# Altium PCB X98_CARRIER_V1R2_12082022.PcbDoc (part 8 of 10)
Units mm, origin at the board's own origin, x right, y up, seen from the top; angles counter-clockwise.
Board outline 100 x 72 mm, 4 copper layers (Top Layer, Layer 1, Layer 2, Bottom Layer), stack 1.543 mm thick; 772 components, 527 nets, 2344 pads, 1194 vias.
Unrouted connection lines stored in the file: 58.
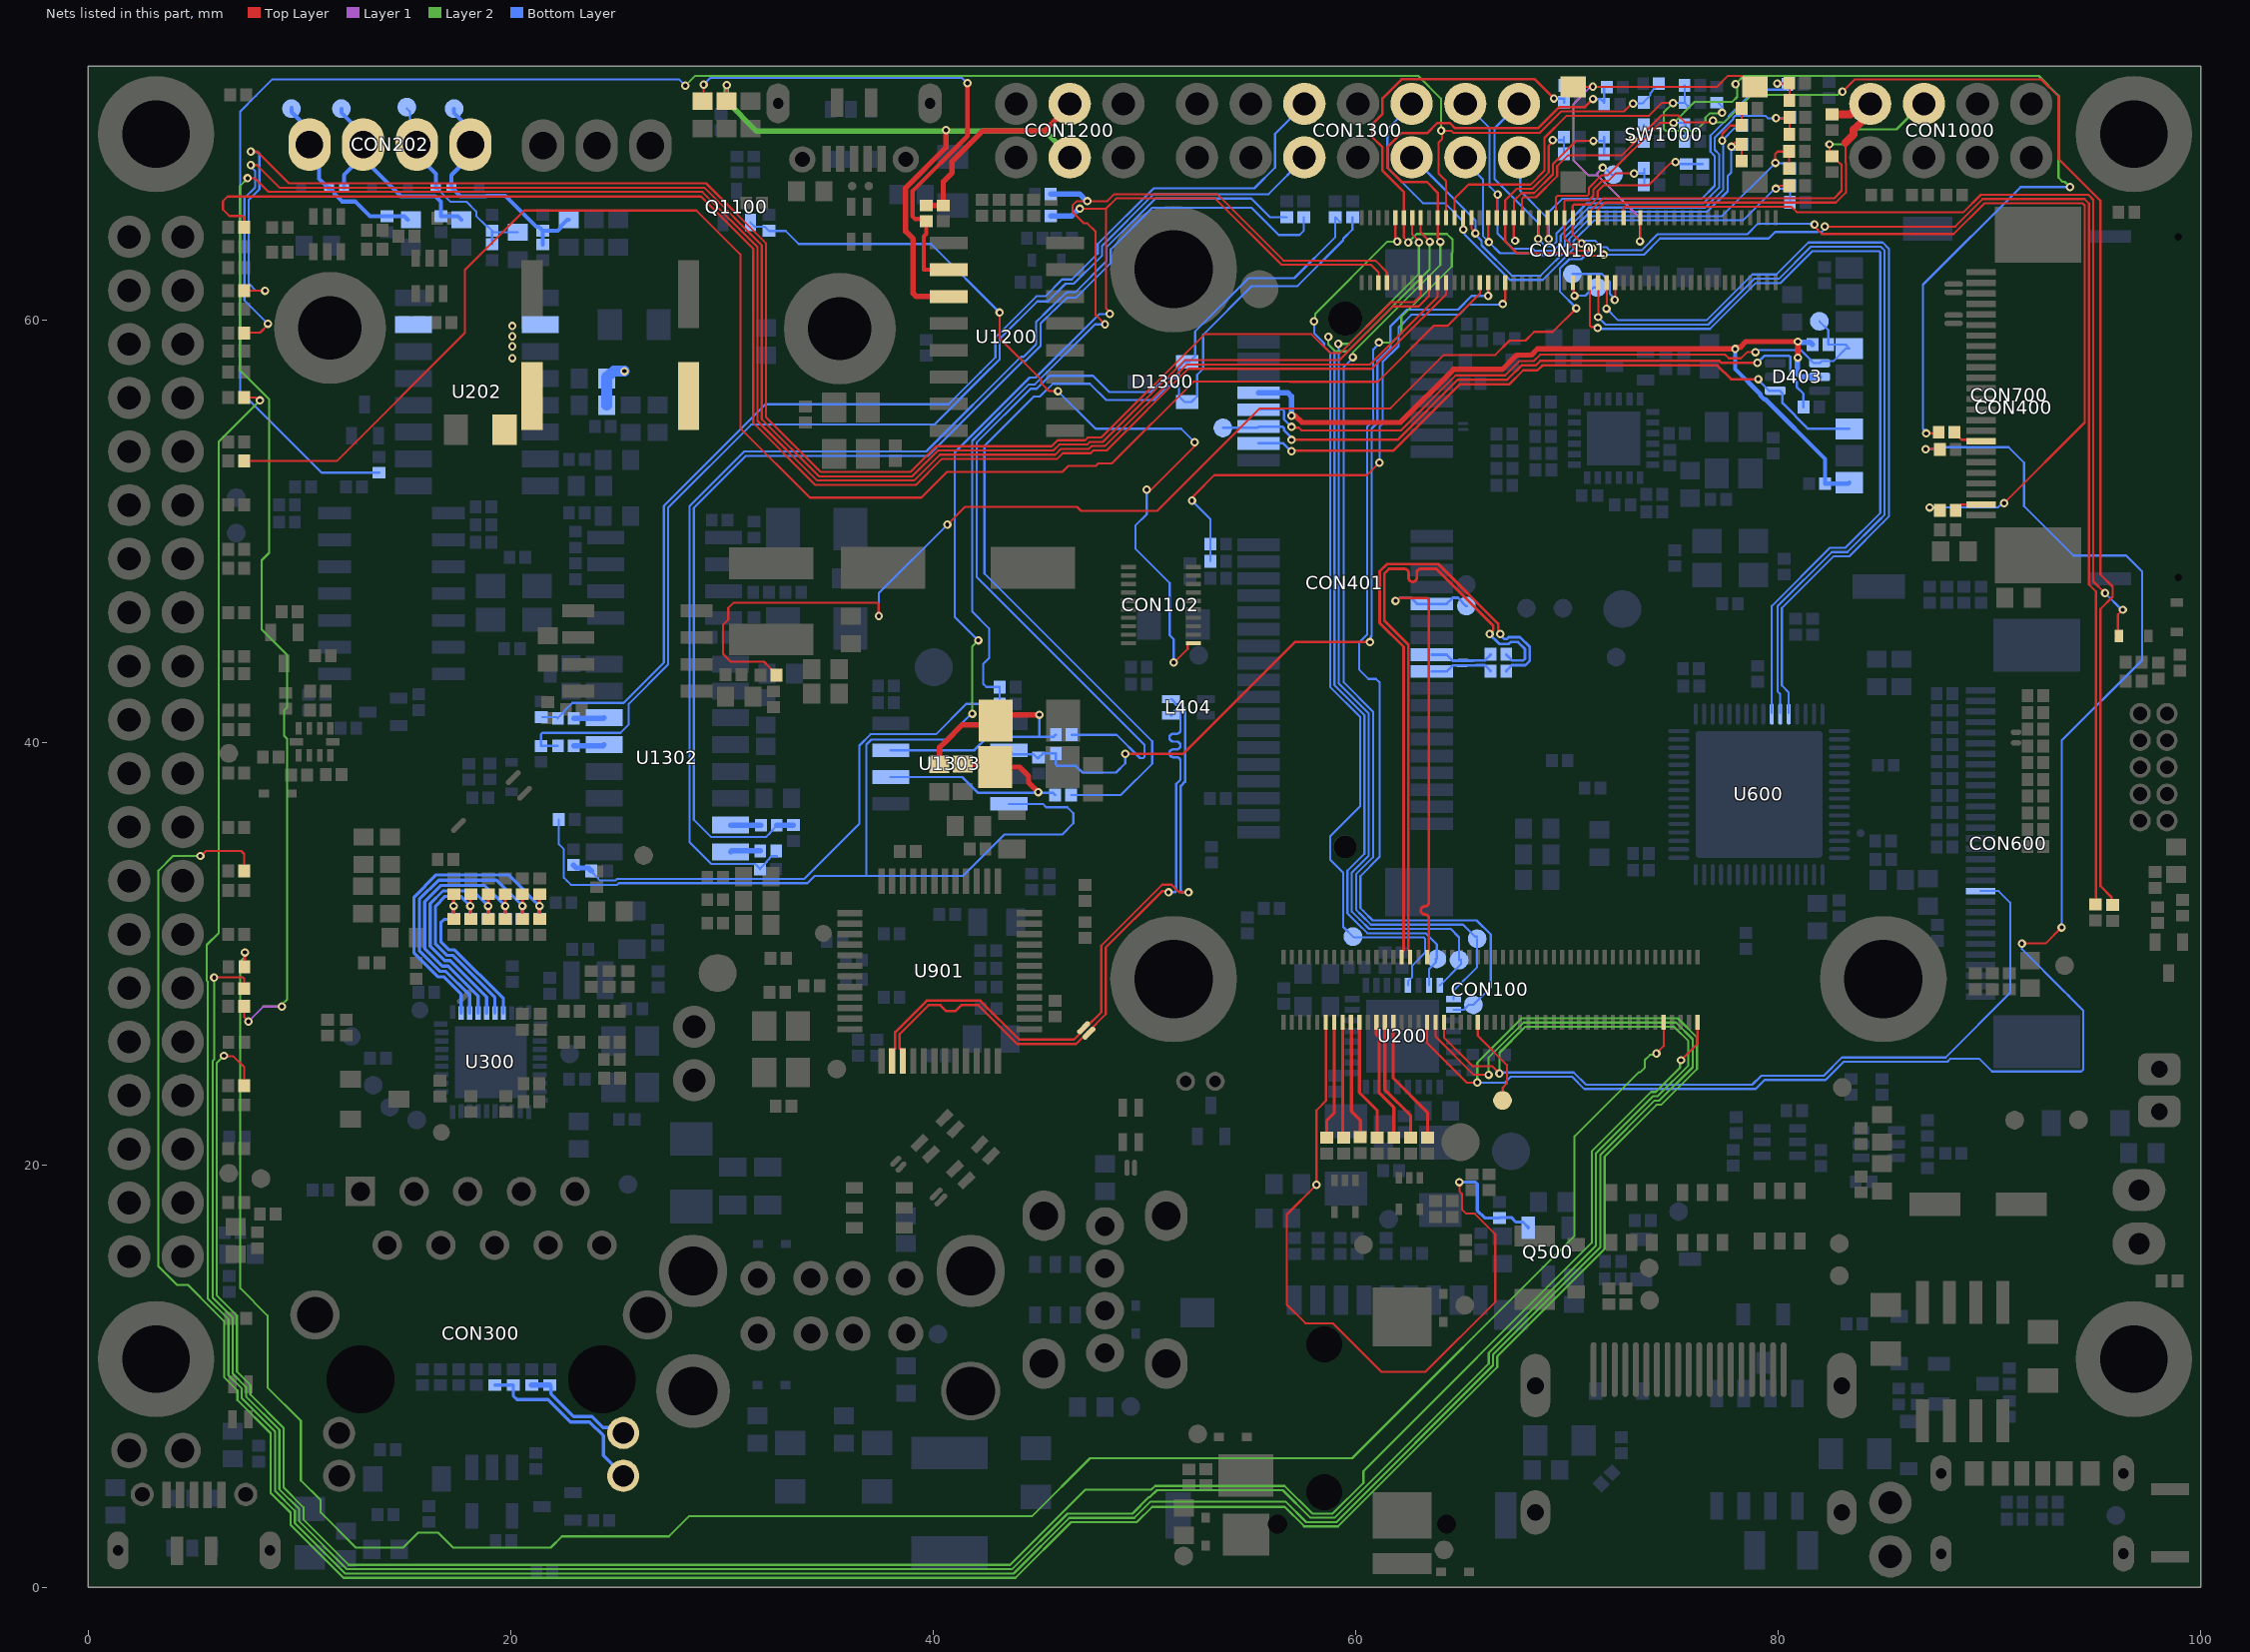
[diagram p10: the nets of this part, all layers, seen from the top]

## Via types
v1: diameter 0.4, hole 0.2, Top Layer to Bottom Layer, tented both sides, 1194 vias

## Nets (pads, with @x,y where several pads share a name; then routed paths per layer and width w, separated by ;. In a path a pad name is that pad's centre, name@x,y a point inside that pad or via, vN(x,y) a via of type N, cw(c..) or ccw(c..) an arc to the next point about the centre after c; other vN are vias at no path point) (continued)
PCIe_RX_P: CON100.65 CON401.25 TP409.1 | length 22.9
  Top Layer w0.128: v1(61.885,46.702) 61.959,46.702 62.094,46.838 63.389,46.838 63.464,46.763 63.464,32.878 63.464,32.432 cw(c63.273,32.432) 63.273,32.24 ccw(c63.273,32.049) 63.082,32.049 ccw(c63.273,32.049) 63.273,31.858 cw(c63.273,31.667) 63.464,31.667 63.464,31.078 63.464,30.01 63.379,29.925 CON100.65@63.379,29.837
  Bottom Layer w0.128: v1(61.885,46.702) 61.959,46.702 62.094,46.838 62.251,46.838 62.623,46.838 62.908,46.553 63.608,46.553 64.308,46.553 64.6,46.845 64.841,46.845 65.234,46.453 TP409.1@65.244,46.453
PCIe_TX'_N: C415.2 CON401.31 TP410.1 | length 3
  Bottom Layer w0.128: CON401.31@63.608,44.153 64.308,44.153 64.593,43.868 65.569,43.868 65.582,43.881 66.121,43.881 66.381,44.14 C415.2@66.381,44.166
PCIe_TX'_P: C416.2 CON401.33 TP411.1 | length 3
  Bottom Layer w0.128: CON401.33@63.608,43.353 64.308,43.353 64.593,43.638 65.472,43.638 65.69,43.638 65.702,43.651 66.121,43.651 66.381,43.391 C416.2@66.381,43.366
PCIe_TX_N: C415.1 CON100.69 | length 29.8
  Top Layer w0.128: CON100.69@62.579,29.817 62.579,30.087 62.494,30.172 62.494,44.616 61.363,45.747 61.363,47.998 61.577,48.213 61.869,48.213 62.316,48.213 cw(c62.316,48.021) 62.507,48.021 62.507,47.79 ccw(c62.698,47.79) 62.698,47.599 ccw(c62.698,47.79) 62.889,47.79 62.889,48.021 cw(c63.08,48.021) 63.08,48.213 63.655,48.213 63.818,48.213 66.512,45.518 66.512,45.326 66.475,45.288 v1@66.475,45.192
  Bottom Layer w0.128: v1(66.339,45.137) 66.339,45.121 66.797,44.663 67.246,44.663 67.334,44.751 67.682,44.751 68.011,44.422 68.011,43.956 67.936,43.881 67.39,43.881 67.131,44.14 C415.1@67.131,44.166
PCIe_TX_P: C416.1 CON100.71 | length 29.9
  Top Layer w0.128: CON100.71@62.179,29.837 62.179,30.087 62.264,30.172 62.264,44.521 61.133,45.652 61.133,48.094 61.482,48.442 61.869,48.442 63.913,48.442 66.742,45.613 66.742,45.308 66.84,45.21 v1(66.84,45.137)
  Bottom Layer w0.128: v1(66.84,45.137) 66.84,45.097 67.045,44.893 67.151,44.893 67.239,44.981 67.777,44.981 68.241,44.517 68.241,43.861 68.031,43.651 67.39,43.651 67.131,43.391 C416.1@67.131,43.366
PCIe_USB_MODEM_N: L404.4 TP412.1 U901.14 | length 31.7
  Top Layer w0.114: U901.14@38.055,24.923 38.055,25.373 38.197,25.515 38.197,26.285 39.687,27.775 42.229,27.775 44.07,25.933 46.66,25.933 47.168,26.441 47.955,27.229 47.955,30.379 50.838,33.262 51.285,33.262 51.643,32.903 v1(52.086,32.903)
  Bottom Layer w0.114: L404.4@51.261,42.047 51.286,42.047 51.428,41.904 51.428,41.841 51.495,41.774 51.726,41.774 51.919,41.581 51.919,38.141 51.719,37.941 51.719,32.97 51.786,32.903 v1(52.086,32.903)
PCIe_USB_MODEM_P: L404.1 TP413.1 U901.15 | length 31.6
  Top Layer w0.114: U901.15@38.555,24.923 38.555,25.373 38.413,25.515 38.413,26.195 39.776,27.559 40.335,27.559 40.615,27.28 41.046,27.28 41.326,27.559 42.139,27.559 43.981,25.718 46.749,25.718 47.32,26.289 48.171,27.139 48.171,30.289 50.832,32.95 51.089,32.95 v1(51.136,32.903)
  Bottom Layer w0.114: v1(51.136,32.903) 51.436,32.903 51.503,32.97 51.503,38.03 51.704,38.231 51.704,39.06 51.704,39.117 ccw(c51.52,39.117) 51.52,39.301 51.366,39.301 cw(c51.366,39.485) 51.182,39.485 cw(c51.366,39.485) 51.366,39.669 51.52,39.669 ccw(c51.52,39.854) 51.704,39.854 ccw(c51.52,39.854) 51.52,40.038 51.366,40.038 cw(c51.366,40.222) 51.182,40.222 cw(c51.366,40.222) 51.366,40.406 51.52,40.406 ccw(c51.52,40.59) 51.704,40.59 51.704,40.841 51.704,40.908 51.704,41.491 51.637,41.558 51.495,41.558 51.428,41.491 51.428,41.428 51.286,41.285 L404.1@51.261,41.285 L404.1@51.236,41.285
PCIe_W_DISABLE#_3V3: CON101.66 R408.1 R409.2 | length 26.2
  Top Layer w0.102: v1(52.248,51.443) 52.305,51.5 52.305,51.648 52.459,51.802 53.303,52.646 60.537,52.646 v1(61.127,53.237) ; v1(66.959,60.75) 66.959,60.809 67.081,60.93 CON101.66@67.079,61.757
  Bottom Layer w0.102: v1(52.248,51.443) 53.118,50.574 R408.1@53.118,49.387 R409.2@53.118,48.579 ; v1(61.127,53.237) 61.127,54.938 61.271,55.082 61.271,58.002 62.029,58.76 62.029,59.635 62.638,60.244 64.895,60.244 65.378,60.728 66.938,60.728 v1(66.959,60.75)
PGND: C216.2 C218.2 C219.2 C220.2 L212.2 U202.2 U202.15 | length 2.3
  Bottom Layer w0.508: C219.2@24.541,55.958 C218.2@24.541,57.228 24.541,57.291 24.693,57.444 24.757,57.444 24.888,57.575 v1(25.381,57.575)
  other v1: 20.072,58.188 20.072,58.743 20.072,59.226 20.072,59.709
PMIC_ON_REQ: CON101.50 TP118.1 | length 1.9
  Top Layer w0.102: CON101.50@70.279,61.757 70.318,61.718 70.318,61.186 v1(70.357,61.147)
  Bottom Layer w0.102: v1(70.357,61.147) 70.876,61.147 71.27,61.54 TP118.1@71.441,61.54
POR_B: CON101.37 D102.1 | length 44.7
  Top Layer w0.102: CON101.37@72.679,64.837 72.677,65.295 72.737,65.354 80.629,65.354 80.883,65.1 88.774,65.1 89.597,65.922 94.685,65.922 94.918,65.689 94.918,47.627 v1(95.479,47.066) ; D102.1@95.986,45.039 96.088,45.141 96.088,46.05 v1(96.317,46.279)
  Bottom Layer w0.102: v1(95.479,47.066) 96.266,46.279 v1(96.317,46.279)
PWDN_CAM_C: CON700.17 R114.2 | length 1.5
  Top Layer w0.102: R114.2@88.347,54.684 88.347,54.659 88.676,54.33 89.574,54.33 CON700.17@89.657,54.247
PWM1_E: CON100.62 CON600.20 R1117.2 | length 158.1
  Top Layer w0.102: v1@5.994,28.91 v1(5.955,28.871) 7.316,28.871 7.375,28.812 R1117.2@7.375,28.349 ; CON100.62@64.179,26.815 64.179,26.034 65.539,24.673 66.467,24.673 66.805,24.335 v1(66.805,24.332)
  Layer 2 w0.102: v1(5.955,28.871) 5.955,24.993 5.88,24.918 5.88,13.728 6.833,12.776 6.833,10.124 7.468,9.489 7.468,9.037 9.042,7.463 9.042,4.643 9.982,3.703 9.982,3.127 12.249,0.86 43.724,0.86 46.356,3.491 49.432,3.491 50.208,4.267 50.256,4.267 50.59,4.602 56.55,4.602 57.857,3.294 58.999,3.294 66.297,10.592 66.297,11.103 71.378,16.184 71.378,20.558 74.071,23.251 74.291,23.251 75.751,24.71 75.751,25.864 75.077,26.537 68.031,26.537 66.805,25.311 v1(66.805,24.332)
  Bottom Layer w0.102: v1(66.805,24.332) 66.849,24.376 70.326,24.376 70.907,23.796 78.771,23.796 79.2,24.225 82.159,24.225 83.021,25.087 87.927,25.087 90.986,28.146 90.986,32.41 90.433,32.963 CON600.20@89.581,32.963
PWM2_E: CON100.64 R1136.1 | length 154.3
  Top Layer w0.102: R1136.1@7.375,56.331 7.896,56.331 8.04,56.187 v1(8.121,56.187) ; CON100.64@63.779,26.815 63.779,26.073 65.587,24.265 v1(66.294,24.265)
  Layer 2 w0.102: v1(8.121,56.187) 6.169,54.235 6.169,30.979 5.603,30.413 5.603,28.725 5.655,28.673 5.655,13.666 6.629,12.692 6.629,10.039 7.264,9.404 7.264,8.953 8.839,7.378 8.839,4.559 9.779,3.619 9.779,3.043 12.165,0.657 43.809,0.657 46.44,3.288 49.516,3.288 50.292,4.064 56.685,4.064 57.658,3.091 59.084,3.091 66.5,10.508 66.5,11.019 71.581,16.1 71.581,20.474 74.155,23.047 74.375,23.047 75.954,24.626 75.954,25.948 75.162,26.74 67.947,26.74 66.294,25.087 v1(66.294,24.265)
PWM3_E: CON100.66 R701.2 R1119.1 | length 211
  Top Layer w0.102: v1(5.303,34.623) 5.329,34.623 5.565,34.859 7.238,34.859 7.375,34.721 R1119.1@7.375,33.906 ; CON100.66@63.379,26.815 63.379,25.767 65.247,23.899 65.743,23.899 v1@65.751,23.907 ; v1(86.983,53.883) 87.631,53.883 87.638,53.89 R701.2@87.656,53.873 ; v1(91.542,30.48) 92.659,30.48 v1(93.421,31.242)
  Layer 2 w0.102: v1(5.303,34.623) 4.013,34.623 3.318,33.927 3.318,15.193 4.192,14.318 4.716,14.318 5.906,13.128 6.426,12.607 6.426,9.955 7.061,9.32 7.061,8.869 8.634,7.296 8.634,4.477 9.576,3.535 9.576,2.959 12.081,0.454 43.893,0.454 46.524,3.085 49.641,3.085 50.366,3.81 56.642,3.81 57.546,2.906 57.546,2.888 59.168,2.888 66.704,10.424 66.704,10.935 71.785,16.016 71.785,20.39 74.239,22.844 74.46,22.844 76.157,24.542 76.157,26.032 75.246,26.944 67.863,26.944 65.756,24.837 v1(65.756,23.899)
  Bottom Layer w0.102: v1(65.756,23.899) 67.071,23.899 67.345,24.173 70.242,24.173 70.822,23.593 78.932,23.593 79.362,24.022 82.243,24.022 83.105,24.884 88.011,24.884 88.146,25.019 89.533,25.019 90.128,24.424 94.354,24.424 94.444,24.513 94.444,27.308 93.78,27.972 93.78,27.978 93.574,28.184 93.568,28.184 91.542,30.21 v1(91.542,30.48) ; v1(86.983,53.883) 87.605,53.883 ; 87.605,53.899 87.682,53.976 90.914,53.976 91.644,53.246 91.644,51.18 93.98,48.844 96.478,48.844 97.232,48.09 97.232,43.892 93.421,40.081 v1(93.421,31.242)
PWM4_E: CON101.72 R1135.2 | length 80.1
  Top Layer w0.102: R1135.2@7.375,53.319 11.755,53.319 17.826,59.39 17.826,62.367 20.64,65.181 28.787,65.181 30.867,63.101 30.867,54.878 34.163,51.582 39.43,51.582 40.65,52.803 46.11,52.803 46.39,53.083 47.7,53.083 47.828,53.211 48.463,53.211 52.328,57.077 56.87,57.077 56.873,57.073 61.045,57.073 63.687,59.715 64.348,59.715 65.887,61.254 CON101.72@65.887,61.757
REF_CLK_32K: CON101.40 TP117.1 | length 3.7
  Top Layer w0.102: v1(72.267,60.948) 72.293,60.974 CON101.40@72.293,61.757
  Bottom Layer w0.102: TP117.1@70.259,62.173 71.652,62.173 72.038,61.787 72.038,61.217 72.267,60.988 v1(72.267,60.948)
RIGHT_LED_N: CON300.14 R301.1 R303.2 | length 8.5
  Bottom Layer w0.152: R301.1@19.253,9.576 R303.2@20.117,9.576 20.117,9.068 20.295,8.89 21.768,8.89 22.825,7.833 23.734,7.833 24.385,7.181 24.385,6.247 24.993,5.639 CON300.14@25.248,5.639
RIGHT_LED_P: CON300.13 R300.1 R302.1 | length 5.5
  Bottom Layer w0.152: R300.1@21.844,9.576 21.907,9.513 21.907,9.157 22.978,8.087 23.839,8.087 24.353,7.572 25.063,7.572 CON300.13@25.325,7.31
  Bottom Layer w0.254: R302.1@20.985,9.576 R300.1@21.844,9.576
RS232_UART2_RXD: L1309.1 U1302.8 | length 1.4
  Bottom Layer w0.254: U1302.8@30.412,34.813 30.464,34.865 L1309.1@31.812,34.865
RS232_UART2_RXD_H: C1313.1 L1309.2 R1315.1 | length 56.5
  Bottom Layer w0.102: C1313.1@31.799,33.995 C1313.1@31.799,34.021 ; L1309.2@32.606,34.615 32.338,34.615 32.244,34.522 32.244,34.497 32.117,34.371 32.117,34.339 C1313.1@31.799,34.021 ; R1315.1@56.735,64.862 55.947,64.862 55.06,65.749 50.524,65.749 48.198,63.424 48.198,62.777 46.727,61.306 46.311,61.306 46.281,61.277 45.39,60.413 44.993,60.027 44.932,59.967 44.873,59.908 44.873,59.866 44.873,58.842 44.283,58.251 44.153,58.251 39.673,53.771 31.051,53.771 28.464,51.185 28.464,35.27 29.485,34.249 31.571,34.249 C1313.1@31.799,34.021
RS232_UART2_TXD: L1307.1 U1302.7 | length 1.4
  Bottom Layer w0.254: U1302.7@30.412,36.083 30.416,36.078 L1307.1@31.842,36.078
RS232_UART2_TXD_H: C1315.1 L1307.2 R1311.1 | length 57.1
  Bottom Layer w0.102: L1307.2@32.592,36.078 32.592,36.053 32.274,35.735 32.274,35.71 32.094,35.53 29.474,35.53 28.668,36.336 28.668,51.101 31.125,53.558 39.747,53.558 44.237,58.048 44.367,58.048 45.076,58.757 45.076,59.823 45.106,59.853 46.307,61.018 cw(c46.379,60.946) 46.379,61.047 46.756,61.047 48.401,62.693 48.401,63.34 50.377,65.315 55.062,65.315 56.358,64.02 57.341,64.02 57.548,64.227 R1311.1@57.548,64.862
  Bottom Layer w0.254: L1307.2@32.592,36.078 32.596,36.082 33.379,36.082 C1315.1@33.383,36.086
RS232_UART4_RXD: L1308.1 U1302.13 | length 1.5
  Bottom Layer w0.254: L1308.1@22.981,39.837 24.356,39.837 U1302.13@24.412,39.893
RS232_UART4_RXD_H: C1314.1 CON1300.10 L1308.2 | length 54.6
  Bottom Layer w0.102: L1308.2@22.231,39.837 21.442,39.837 C1314.1@21.432,39.827 21.432,40.392 21.492,40.451 25.191,40.451 25.586,40.847 25.586,41.829 27.448,43.692 27.448,51.109 31.38,55.041 40.045,55.041 42.32,57.316 43.146,58.142 43.146,59.097 44.924,60.876 45.427,60.876 46.264,61.713 46.651,61.713 47.995,63.057 47.995,63.508 50.439,65.953 55.875,65.953 CON1300.10@57.616,67.694
RS232_UART4_TXD: L1306.1 U1302.14 | length 1.4
  Bottom Layer w0.254: L1306.1@22.981,41.137 24.386,41.137 U1302.14@24.412,41.163
RS232_UART4_TXD_H: C1316.1 CON1300.9 L1306.2 | length 54.3
  Bottom Layer w0.102: C1316.1@21.491,41.188 22.18,41.188 L1306.2@22.231,41.137 22.231,41.163 22.549,41.481 22.549,41.505 22.916,41.872 25.342,41.872 27.245,43.776 27.245,51.193 32.055,56.003 40.72,56.003 42.236,57.519 42.942,58.226 42.942,59.182 44.88,61.119 45.303,61.119 46.1,61.916 46.567,61.916 47.792,63.141 47.792,63.592 50.431,66.232 55.201,66.232 56.182,67.213 56.182,68.805 CON1300.9@57.611,70.234
RS485/422_A: R1325.1 R1326.1 R1328.2 U1303.6 | length 12.4
  Top Layer w0.254: R1328.2@41.399,38.968 42.785,38.968 R1325.1@42.924,38.829 44.089,38.829 44.515,38.402 44.515,38.102 v1(44.97,37.647)
  Bottom Layer w0.117: U1303.6@37.982,38.359 41.376,38.359 42.113,37.622 v1@44.97,37.622 ; v1(44.97,37.647) 45.008,37.609 45.668,37.609 R1326.1@45.77,37.508
RS485/422_B: R1320.2 R1321.1 R1323.2 U1303.7 | length 15.2
  Top Layer w0.254: R1320.2@40.302,38.962 40.302,39.767 40.559,40.023 41.372,40.837 42.758,40.837 R1323.2@42.95,41.029 ; R1323.2@43.113,41.014 43.128,41.029 43.408,41.31 v1(45.021,41.31)
  Bottom Layer w0.117: U1303.7@37.982,39.629 41.947,39.629 42.581,40.263 45.021,40.263 ; v1(45.021,41.31) 45.021,40.263 ; R1321.1@45.801,40.36 45.704,40.263 45.021,40.263
RS485/422_N: D1300.1 R1309.1 R1321.2 | length 45.9
  Bottom Layer w0.102: R1321.2@46.551,40.36 48.684,40.36 49.786,39.258 49.935,39.258 49.995,39.317 49.995,39.896 42.051,47.84 42.051,54.183 44.61,56.742 44.896,56.742 45.507,57.353 47.567,57.353 48.335,56.585 50.309,56.585 50.973,57.249 51.568,57.249 51.628,57.309 51.628,57.738 51.902,58.012 D1300.1@52.021,58.012 52.128,58.012 52.402,58.286 52.402,59.454 54.927,61.979 57.092,61.979 59.037,63.924 R1309.1@59.037,64.862 R1309.1@59.256,64.643
RS485/422_P: D1300.2 R1313.1 R1326.2 | length 48.1
  Bottom Layer w0.102: R1326.2@46.52,37.508 48.884,37.508 50.368,38.992 50.368,40.051 42.424,47.995 42.424,54.029 44.764,56.369 45.051,56.369 45.661,56.979 47.413,56.979 48.18,56.211 50.464,56.211 51.128,56.875 51.568,56.875 51.628,56.816 51.628,56.386 51.902,56.112 D1300.2@52.021,56.112 52.221,56.112 52.495,56.386 52.495,57.398 52.775,57.679 52.775,59.299 55.082,61.605 57.246,61.605 59.41,63.769 59.41,63.843 59.85,64.282 R1313.1@59.85,64.862
RST_CAM_C: CON700.23 R111.2 | length 1.3
  Top Layer w0.102: R111.2@88.405,50.976 88.405,51.001 88.661,51.257 CON700.23@89.609,51.257
RXC/PHYAD1: R323.2 R332.1 R333.2 U300.27 | length 8.1
  Top Layer w0.152: R332.1@17.297,31.623 v1(17.297,32.258) R323.2@17.297,32.817
  Bottom Layer w0.152: R333.2@17.297,31.623 16.84,31.623 16.688,31.471 16.688,30.56 17.072,30.175 17.348,30.175 19.65,27.873 U300.27@19.65,27.192 ; R333.2@17.297,31.725 v1(17.297,32.258)
RXCTL/PHYAD2: R325.2 R334.1 R335.2 U300.26 | length 10.2
  Top Layer w0.152: R334.1@18.034,31.648 18.085,31.699 v1(18.085,32.258) 18.085,32.766 R325.2@18.11,32.791
  Bottom Layer w0.152: R335.2@18.059,31.699 18.085,31.725 v1(18.085,32.258) ; v1@18.11,32.283 18.059,32.283 17.628,32.715 16.891,32.715 16.434,32.258 16.434,30.455 16.967,29.921 17.243,29.921 19.25,27.914 U300.26@19.25,27.192
RXD0/RXDLY: R326.2 R343.1 R344.2 U300.25 | length 11.6
  Top Layer w0.102: R326.2@18.923,32.741 R326.2@18.948,32.766
  Top Layer w0.152: R343.1@18.898,31.547 18.923,31.572 v1(18.923,32.258) R326.2@18.923,32.741
  Bottom Layer w0.152: U300.25@18.85,27.192 18.85,27.955 17.138,29.667 16.862,29.667 16.18,30.349 16.18,32.363 16.786,32.969 18.212,32.969 18.847,32.334 v1@18.974,32.334 ; R344.2@18.923,31.674 v1(18.923,32.258)
RXD1/TXDLY: R327.2 R341.1 R342.2 U300.24 | length 12.7
  Top Layer w0.152: R341.1@19.736,31.598 v1(19.736,32.258) R327.2@19.736,32.741
  Bottom Layer w0.152: U300.24@18.45,27.192 18.45,27.996 17.033,29.413 16.757,29.413 15.926,30.244 15.926,32.468 16.681,33.223 18.771,33.223 v1@19.685,32.309 ; R342.2@19.736,31.674 v1(19.736,32.258)
RXD2/PLLOFF: R328.2 R336.1 R337.2 U300.23 | length 14.1
  Top Layer w0.152: R328.2@20.549,32.842 v1(20.549,32.258) 20.549,31.648 R336.1@20.574,31.623
  Bottom Layer w0.152: U300.23@18.05,27.192 18.05,28.037 16.927,29.159 16.652,29.159 15.672,30.139 15.672,32.574 16.575,33.477 19.329,33.477 20.498,32.309 v1@20.498,32.258 ; R337.2@20.523,31.623 20.549,31.648 v1(20.549,32.258)
RXD3/PHYAD0: R329.2 R330.1 R331.2 U300.22 | length 15.4
  Top Layer w0.152: R329.2@21.336,32.791 21.361,32.766 v1(21.361,32.258) 21.361,31.648 R330.1@21.387,31.623
  Bottom Layer w0.152: U300.22@17.65,27.192 17.65,28.077 16.822,28.905 16.546,28.905 15.418,30.034 15.418,32.679 16.47,33.731 19.888,33.731 v1(21.361,32.258) 21.361,31.725 R331.2@21.311,31.674
RXD_DEBUG: D1201.2 R1206.2 U1200.2 | length 25.2
  Top Layer w0.102: D1201.2@29.074,70.355 29.129,70.409 v1(29.129,71.138)
  Top Layer w0.203: U1200.2@40.732,62.374 39.556,62.374 39.556,63.956 39.666,64.066 R1206.2@39.666,64.665 39.561,64.77 39.145,64.77 39.026,64.889 39.026,66.11 41.617,68.701 v1(41.617,71.203)
  Bottom Layer w0.102: v1(29.129,71.138) 29.459,71.469 41.351,71.469 v1(41.617,71.203)
RXD_DEBUG_3V3: CON1200.3 R1206.1 R1209.2 | length 9.8
  Top Layer w0.254: R1206.1@39.691,65.415 40.473,65.415 40.474,66.541 40.894,66.961 40.894,67.503 42.341,68.95 45.267,68.95 46.461,70.144 CON1200.3@46.461,70.23
SAI1_MCLK: CON101.91 TP208.1 U200.21 | length 43.9
  Top Layer w0.102: CON101.91@61.879,64.837 61.879,63.876 61.967,63.788 v1(61.967,63.707)
  Layer 2 w0.102: v1(58.031,59.931) 58.083,59.983 58.083,60.283 61.507,63.707 v1(61.967,63.707)
  Bottom Layer w0.102: v1(58.031,59.931) 58.031,59.371 58.5,58.903 58.5,58.753 58.79,58.463 58.79,42.626 60.21,41.205 60.21,36.969 58.798,35.557 58.798,35.099 ccw(c59.499,35.053) 58.798,35.007 58.798,34.446 59.41,33.834 59.41,31.266 59.911,30.764 63.229,30.764 63.289,30.704 63.289,30.046 62.675,29.433 62.675,28.892 62.478,28.694 U200.21@62.478,28.494
SAI1_RXD0: CON101.81 R1000.1 R1003.2 TP205.1 U200.25 | length 62.1
  Top Layer w0.117: v1@63.957,63.772 63.957,63.817 63.879,63.895 63.879,64.617 63.879,66.017 63.366,66.53 62.17,66.53 61.49,67.21 61.49,68.17 62.172,68.852 63.395,68.852 63.86,69.316 64.463,69.316 64.71,69.07 68.632,69.07 69.641,70.079 70.854,70.079 v1(71.232,70.457)
  Layer 2 w0.102: 59.868,58.459 64.008,62.599
  Layer 2 w0.117: 64.008,62.599 v1(64.008,63.695)
  Bottom Layer w0.102: v1(59.862,58.238) 59.862,58.205 59.437,57.781 59.437,42.84 60.82,41.457 60.82,34.557 60.019,33.756 60.019,32.075 60.287,31.807 60.721,31.373 65.083,31.373 65.65,30.806 TP205.1@65.752,30.806 ; U200.25@64.628,27.844 64.628,28.237 65.752,29.361 TP205.1@65.752,30.705
  Bottom Layer w0.117: v1(71.232,70.457) 71.597,70.457 71.763,70.291 R1000.1@71.763,71.018
SAI1_RXD1: CON101.49 R111.1 R1001.1 R1004.2 | length 54.5
  Top Layer w0.102: v1(70.689,63.62) 70.662,63.647 70.662,63.683 70.275,64.07 70.275,65.404 70.334,65.464 71.125,65.464 71.453,65.791 71.453,66.087 71.74,66.374 73.858,66.374 74.901,67.417 75.079,67.417 v1(75.136,67.474) ; v1(81.72,64.512) 81.72,64.432 81.86,64.292 81.86,64.271 82.066,64.064 88.313,64.064 89.765,65.516 94.422,65.516 94.511,65.426 94.511,55.14 v1(90.699,51.328) ; v1(87.177,51.123) 87.508,51.123 R111.1@87.656,50.976
  Bottom Layer w0.102: v1(70.689,63.62) 70.812,63.743 71.343,63.743 71.645,63.441 71.878,63.441 72.027,63.292 73.526,63.292 74.293,64.059 78.548,64.059 79.045,64.556 81.676,64.556 v1(81.72,64.512) ; v1(75.136,67.474) 75.217,67.474 75.315,67.376 R1004.2@76.434,67.376 ; v1(87.177,51.123) 90.414,51.123 90.618,51.328 v1(90.699,51.328)